# Altium PCB LeggedBot.PcbDoc
Units mil, origin at the board's own origin, x right, y up, seen from the top; angles counter-clockwise.
Board outline 3360 x 1300 mil, 2 copper layers (Top Layer, Bottom Layer); 70 components, 67 nets, 307 pads, 169 vias.
Unrouted connection lines stored in the file: 1.
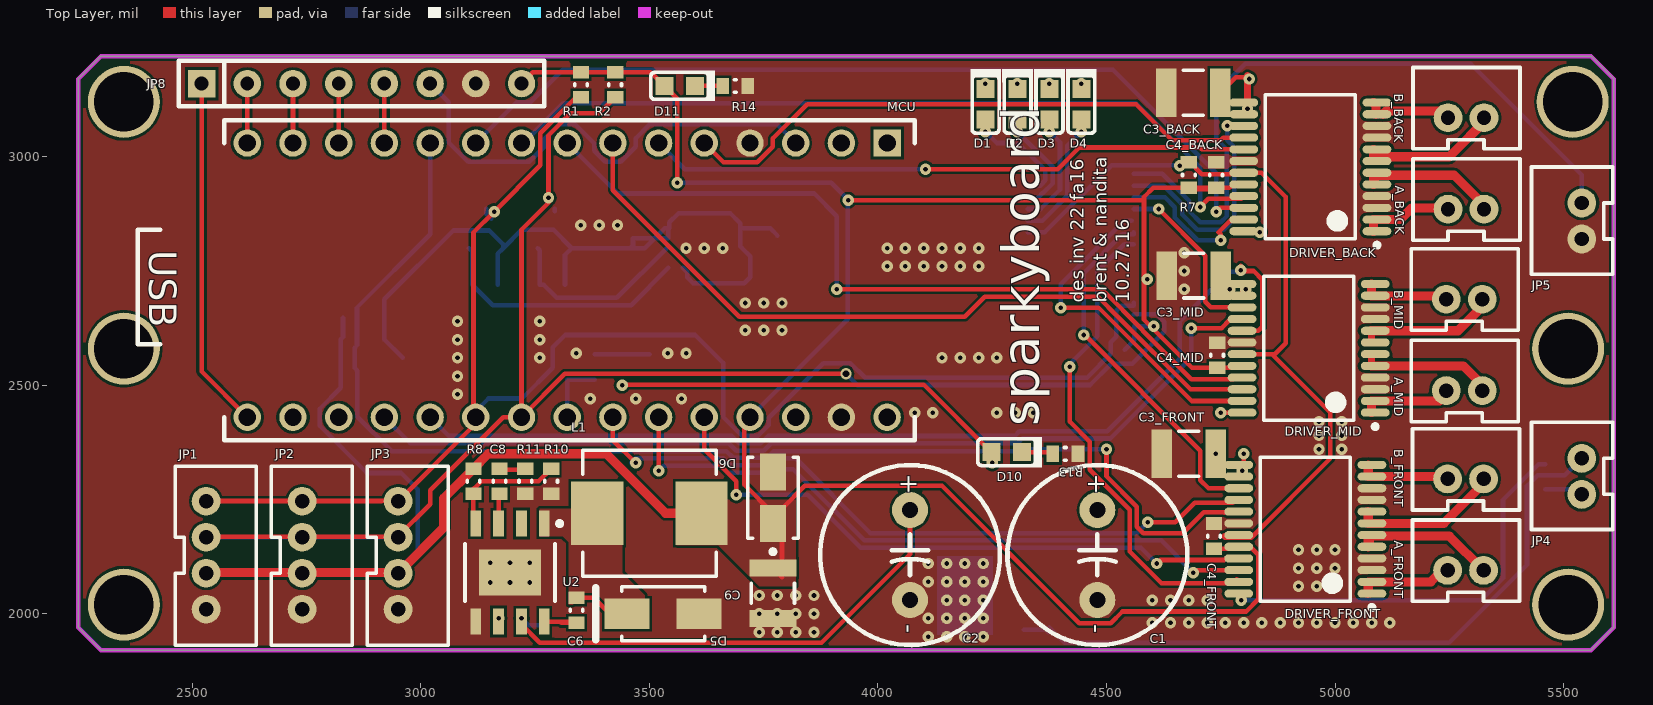
[diagram p0: Top Layer view]
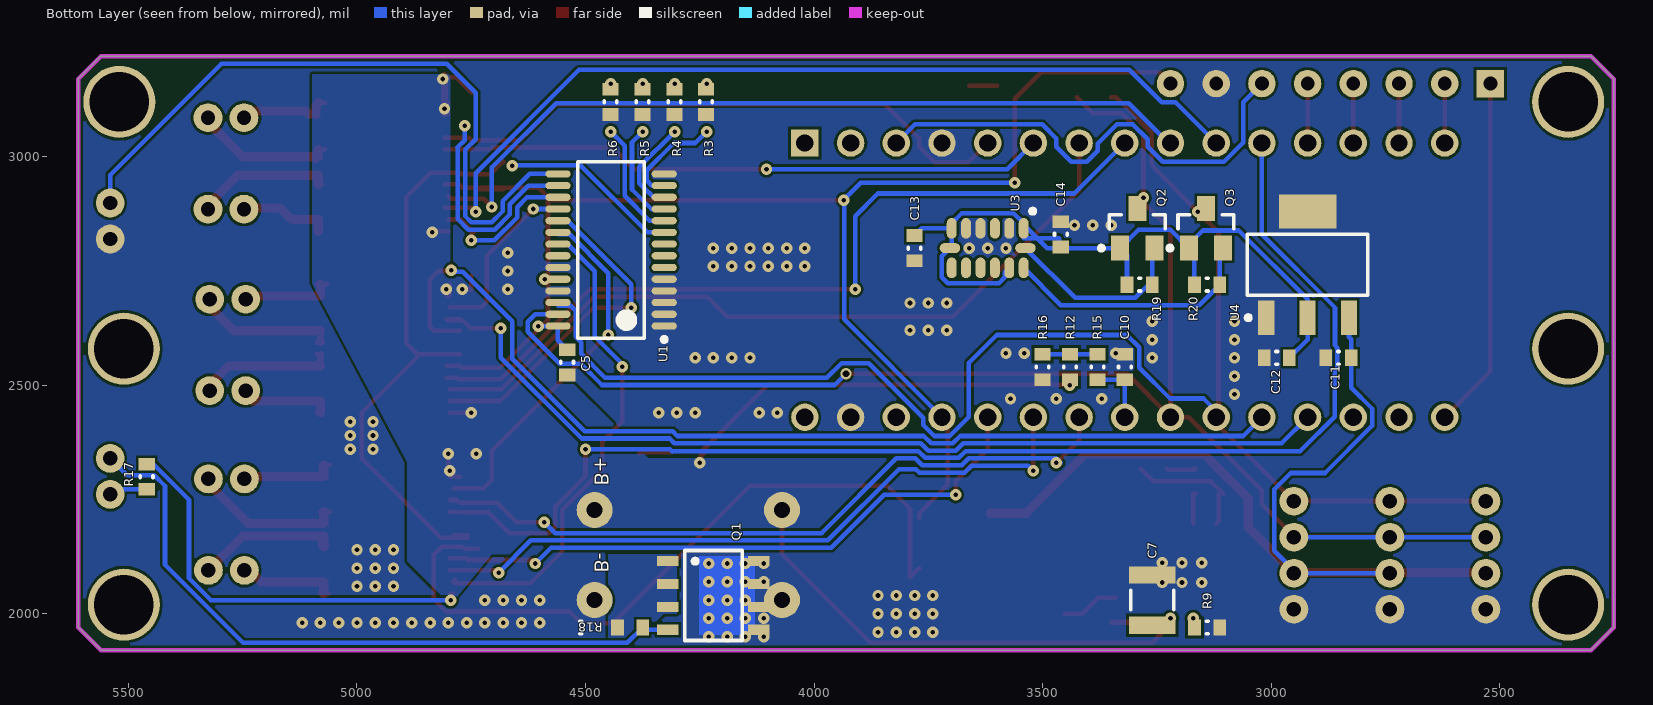
[diagram p1: Bottom Layer view, seen from below]

## Layer stack, top to bottom
Top Solder: solder mask 0.4, Solder Resist, Dk 3.5
Top Layer: signal copper 1.4
Dielectric 1: dielectric 12.6, FR-4, Dk 4.8
Bottom Layer: signal copper 1.4
Bottom Solder: solder mask 0.4, Solder Resist, Dk 3.5

## Board outline
2250,1970 2300,1920 5560,1920 5610,1970 5610,3170 5560,3220 2300,3220 2250,3170

## Design rules (kind name [scope] priority, off if disabled: settings)
Clearance [All] p1: gap=6
HoleSize [All] p1: absolutevalues=TRUE maxlimit=500 minlimit=1 maxpercent=80.000 minpercent=20.000
PlaneConnect [All] p1: planeconnectstyle=Direct reliefexpansion=20 reliefentries=4 reliefconductorwidth=10 reliefairgap=10
PolygonConnect PolygonConnect_1 [All vs IsVia] p1: connectstyle=Direct reliefconductorwidth=10 reliefentries=4 polygonreliefangle="90 Angle" airgapwidth=10
PolygonConnect PolygonConnect_2 [All vs IsNamedPolygon('Direct')] p2: connectstyle=Direct reliefconductorwidth=10 reliefentries=4 polygonreliefangle="90 Angle" airgapwidth=10
PolygonConnect [All] p3: connectstyle=Relief reliefconductorwidth=10 reliefentries=4 polygonreliefangle="90 Angle" airgapwidth=10
RoutingVias [All] p1: holewidth=10 width=25 viastyle="Through Hole" minholewidth=10 minwidth=25 maxholewidth=15 maxwidth=25
SolderMaskExpansion SolderMaskExpansionVia [IsVia] p1: expansion=1 soldermaskfromhole=TRUE
SolderMaskExpansion [All] p2: expansion=3
Width [All] p1: maxlimit=20 minlimit=10 preferedwidth=10 minimp=50.000000 maximp=50.000000 favimp=50.000000
28 further rules are at their usual default settings.

## Classes and differential pairs
component class LeggedBot: C1 C2 C5 C10 D1 D2 D3 D4 D10 D11 JP1 JP2 JP3 JP4 JP5 JP8 MCU Q1 R1 R2 R3 R4 R5 R6 R7 R12 R13 R14 R15 R16 R17 R18 U1
component class BACK: A_BACK B_BACK C3_BACK C4_BACK DRIVER_BACK
component class FRONT: A_FRONT B_FRONT C3_FRONT C4_FRONT DRIVER_FRONT
component class MID: A_MID B_MID C3_MID C4_MID DRIVER_MID
channel class MotorDriver_TB6612: BACK FRONT MID
component class BUCK: C6 C7 C8 C9 D5 D6 L1 R8 R9 R10 R11 U2
component class ACCEL: C11 C12 C13 C14 U3 U4
component class LLS: Q2 Q3 R19 R20

## Components (designator, comment, footprint, x,y, rotation, side; value= is the part's Value field where it differs from the comment)
A_BACK "JST_PH 2" JST-2-PTH-VERT 5286.61,2885.29 r0 top (schematic designator A)
A_FRONT "JST_PH 2" JST-2-PTH-VERT 5285.63,2095 r0 top (schematic designator A)
A_MID "JST_PH 2" JST-2-PTH-VERT 5282.83,2488.29 r0 top (schematic designator A)
B_BACK "JST_PH 2" JST-2-PTH-VERT 5286.61,3085.29 r0 top (schematic designator B)
B_FRONT "JST_PH 2" JST-2-PTH-VERT 5285.63,2295 r0 top (schematic designator B)
B_MID "JST_PH 2" JST-2-PTH-VERT 5282.83,2688.29 r0 top (schematic designator B)
C1 "470uF" CAP_10MM 4480,2226.85 r270 top
C2 "470uF" CAP_10MM 4070,2226.85 r270 top
C3_BACK "10uF" CAPC1210(3225)155_N 4690,3140 r0 top (schematic designator C3)
C3_FRONT "10uF" CAPC1210(3225)155_N 4680,2350 r0 top (schematic designator C3)
C3_MID "10uF" CAPC1210(3225)155_N 4690.94,2740 r0 top (schematic designator C3)
C4_BACK "0.1uF" CAPC0603(1608)100_L#1 4740,2960 r270 top (schematic designator C4)
C4_FRONT "0.1uF" CAPC0603(1608)100_L#1 4735,2170 r270 top (schematic designator C4)
C4_MID "0.1uF" CAPC0603(1608)100_L#1 4742.2,2565.75 r270 top (schematic designator C4)
C5 "0.1uF" CAPC0603(1608)100_L#1 4540,2550 r90 bottom
C6 "100nF" CAPC0603(1608)100_L#2 3340,2237.56 r90 top
C7 "10uF" CAPC1210(3225)280_L 3260,2030 r270 bottom
C8 "150pF" CAPC0603(1608)100_L#1 3171.55,2290 r270 top
C9 "22uF" CAPC1210(3225)170_L 3770,2044.88 r90 top
C10 "0.1uF" CAPC0603(1608)100_L#1 3320,2540 r270 bottom
C11 "2.2uF" CAPC0603(1608)100_L#1 2852.44,2560 r180 bottom
C12 "2.2uF" CAPC0603(1608)100_L#1 2987.56,2560 r180 bottom
C13 "2.2uF" CAPC0603(1608)100_L#1 3780,2800 r90 bottom
C14 "0.1uF" CAPC0603(1608)100_L#1 3460,2830 r270 bottom
D1 "TLSU1008A(T04)" TOSH-0603LED_RED_V 4235.5,3114.69 r270 top
D2 "TLSU1008A(T04)" TOSH-0603LED_RED_V 4305.38,3114.7 r270 top
D3 "TLSU1008A(T04)" TOSH-0603LED_RED_V 4375.25,3114.7 r270 top
D4 "TLSU1008A(T04)" TOSH-0603LED_RED_V 4445.12,3114.7 r270 top
D5 "B340A" DIOD-SMA-2_V 3530,2000 r180 top
D6 "5V TVS" VISH-DO-214AC-2_L 3770,2253.9 r90 top
D10 "TLSU1008A(T04)" TOSH-0603LED_RED_V 4281.53,2353.66 r180 top
D11 "TLSU1008A(T04)" TOSH-0603LED_RED_V 3566.02,3155 r180 top
DRIVER_BACK "TB6612FNG" TOSH-SSOP-24_M 4945.98,2977.76 r180 top (schematic designator DRIVER)
DRIVER_FRONT "TB6612FNG" TOSH-SSOP-24_M 4935,2185 r180 top (schematic designator DRIVER)
DRIVER_MID "TB6612FNG" TOSH-SSOP-24_M 4942.2,2580.75 r180 top (schematic designator DRIVER)
JP1 "JST_PH 4" JST-4-PTH-VERT 2530,2128.11 r270 top
JP2 "JST_PH 4" JST-4-PTH-VERT 2740,2128.11 r270 top
JP3 "JST_PH 4" JST-4-PTH-VERT 2950,2128.11 r270 top
JP4 "JST_PH 2" JST-2-PTH-VERT 5540,2300.63 r90 top
JP5 "JST_PH 2" JST-2-PTH-VERT 5540,2859.37 r90 top
JP8 "1x8 Header" "HEADER 8X1 8.5MM" 2520,3160 r0 top
L1 "0630 Inductor" "0630 INDUCTOR" 3500,2220 r0 top
MCU "Arduino Nano" "ARDUINO NANO" 4180,3090 r180 top
Q1 "MOSFET-N" SOIC127P600X175-8N 4220,2040 r180 bottom
Q2 "BSS138" FAIR-SOT23-3_V 3292.6,2843.31 r90 bottom
Q3 "BSS138" FAIR-SOT23-3_V 3142.6,2843.31 r90 bottom
R1 "4K7" RESC0603(1608)_L 3350,3157.44 r90 top
R2 "4K7" RESC0603(1608)_L 3425,3157.56 r90 top
R3 "470R" RESC0603(1608)_L 4236,3120 r90 bottom
R4 "470R" RESC0603(1608)_L 4305,3120 r90 bottom
R5 "470R" RESC0603(1608)_L 4375,3120 r90 bottom
R6 "470R" RESC0603(1608)_L 4445,3120 r90 bottom
R7 "10K" RESC0603(1608)_L 4680,2960 r270 top
R8 "210K" RESC0603(1608)_L 3114.88,2290 r90 top
R9 "100K" RESC0603(1608)_L 3140,1970 r0 bottom
R10 "40k2" RESC0603(1608)_L 3284.88,2290 r90 top
R11 "100K" RESC0603(1608)_L 3228.22,2290 r90 top
R12 "210K" RESC0603(1608)_L 3440,2540 r270 bottom
R13 "2K2" RESC0603(1608)_L 4410,2350 r0 top
R14 "470R" RESC0603(1608)_L 3687.56,3155 r180 top
R15 "10K" RESC0603(1608)_L 3380,2540 r90 bottom
R16 "100k" RESC0603(1608)_L 3500,2540 r90 bottom
R17 "10K" RESC0603(1608)_L 5460,2300 r90 bottom
R18 "100k" RESC0603(1608)_L 4402.44,1970 r180 bottom
R19 "10k" RESC0603(1608)_L 3287.56,2720 r0 bottom
R20 "10k" RESC0603(1608)_L 3140,2720 r0 bottom
U1 "NXP-PCA9685-SOT361-1" TSSOP-28 4443.86,2796.02 r0 bottom
U2 "MP1584" SOIC8E 3119.88,1982.72 r270 top
U3 "ADXL345BCCZ-RL7" ADI-CC-14-1_V 3620,2800 r270 bottom
U4 "TC2117-3.3VDBTR" SOT-223-DB3_L 2920,2763.86 r90 bottom

## Footprints (in the part's own frame and the unit in brackets; to place one, negate y for a bottom-side part, rotate by r counter-clockwise, add the part's x,y. Pads: shape width x height; smd on the part's side, far side on the other; paste and mask are expansions set on the pad)
"0630 INDUCTOR" [mm] "Precision Wire Wound Inductor, 2-Leads, Body 7.40x7.00mm, IPC Medium Density"
  rect 2.9x3.55 smd: 1(-2.9,0) 2(2.9,0)
  silkscreen extent -3.7,-3.5 3.7,3.5, body extent -3.7,-3.5 3.7,3.5, height 3
ADI-CC-14-1_V [mm] "QFN, 14-Leads, Body 5x3mm, Pitch 0.8mm"
  oval 1.145x0.55 smd: 1(-1.097,2) 2(-1.097,1.2) 3(-1.097,0.4) 4(-1.097,-0.4) 5(-1.097,-1.2) 6(-1.097,-2) 8(1.097,-2) 9(1.097,-1.2) 10(1.097,-0.4) 11(1.097,0.4) 12(1.097,1.2) 13(1.097,2)
  oval 0.55x1.145 smd: 7(0,-2.097) 14(0,2.097)
  silkscreen extent -2.18,2.37 -1.93,2.62, body extent -1.5,-2.5 1.5,2.5, height 1
"ARDUINO NANO" [mil]
  rect 60x60 hole 38: 0(160,60)
  round 60 hole 38: 1(260,60) 2(360,60) 3(460,60) 4(560,60) 5(660,60) 6(760,60) 7(860,60) 8(960,60) 9(1060,60) 10(1160,60) 11(1260,60) 12(1360,60) 13(1460,60) 14(1560,60) 15(1560,660) 16(1460,660) 17(1360,660) 18(1260,660) 19(1160,660) 20(1060,660) 21(960,660) 22(860,660) 23(760,660) 24(660,660) 25(560,660) 26(460,660) 27(360,660) 28(260,660) 29(160,660)
  silkscreen extent 100,10 1800,710, body extent 10,6 1781,714, height 498
CAP_10MM [mm]
  round 2 hole 0.9: 0(0,0) 1(5,0)
  silkscreen extent -2.5,-5 7.5,5, body extent -2.46,-5 7.54,5, height 10
CAPC0603(1608)100_L#1 [mm] "Chip Capacitor, Body 1.6x0.8mm, Height 1.0mm, IPC High Density"
  rect 0.7x0.9 smd: 1(-0.7,0) 2(0.7,0)
  silkscreen extent -0.05,-0.35 0.05,0.35, body extent -0.87,-0.47 0.88,0.48, height 1
CAPC0603(1608)100_L#2 [mm] "Chip Capacitor, Body 1.6x0.8mm, Height 1.0mm, IPC High Density"
  rect 0.7x0.9 smd: 1(-6.542,0) 2(-5.142,0)
  silkscreen extent -5.89,-0.35 -5.79,0.35, body extent -6.72,-0.47 -4.97,0.48, height 1
CAPC1210(3225)155_N [mm] "Chip Capacitor, Body 3.2x2.5mm, Height 1.55mm, IPC Medium Density"
  rect 1.15x2.7 smd: 1(-1.5,0) 2(1.5,0)
  silkscreen extent -0.55,-1.25 0.55,1.25, body extent -1.7,-1.35 1.7,1.35, height 1.55
CAPC1210(3225)170_L [mm] "Chip Capacitor, Body 3.2x2.5mm, Height 1.7mm, IPC High Density"
  rect 0.95x2.6 smd: 1(-1.4,0) 2(1.4,0)
  silkscreen extent -0.55,-1.2 0.55,1.2, body extent -1.7,-1.35 1.7,1.35, height 1.7
CAPC1210(3225)280_L [mm] "Chip Capacitor, Body 3.2x2.5mm, Height 2.8mm, IPC High Density"
  rect 0.95x2.6 smd: 1(-1.4,0) 2(1.4,0)
  silkscreen extent -0.55,-1.2 0.55,1.2, body extent -1.7,-1.4 1.7,1.4, height 2.8
DIOD-SMA-2_V [mm] "Molded Diode, 2-Leads, Body 4.6x2.92mm"
  rect 2.5x1.7 smd: 1(-2,0) 2(2,0)
  silkscreen extent -2.3,-1.5 3.75,1.5, body extent -2.52,-1.46 2.52,1.46, height 2.4
FAIR-SOT23-3_V [mm] "SOT23, 3-Leads, Body 3.12x1.5mm, Pitch 0.95mm"
  rect 1.4x1 smd: 1(-1.1,0.95) 2(-1.1,-0.95) 3(1.1,0)
  silkscreen extent -1.22,-1.55 0.75,2.13, body extent -1.35,-1.56 1.35,1.56, height 1.2
"HEADER 8X1 8.5MM" [mil] "Stackable 8 pin header"
  rect 60x60 hole 30: 1(0,0)
  round 60 hole 30: 2(100,0) 3(200,0) 4(300,0) 5(400,0) 6(500,0) 7(600,0) 8(700,0)
  silkscreen extent -50,-50 750,50, body extent -50,-50 750,50, height 126
JST-2-PTH-VERT [mil]
  round 63 hole 31.5: 1(-39.37,0) 2(39.37,0)
  silkscreen extent -116,-68 118,110, body extent -114,-64 118,113, height 236
JST-4-PTH-VERT [mil]
  round 63 hole 31.5: 1(-118.11,0) 2(-39.37,0) 3(39.37,0) 4(118.11,0)
  silkscreen extent -195,-68 197,110, body extent -195,-70 195,107, height 236
RESC0603(1608)_L [mm] "Chip Resistor, Body 1.6x0.8mm, IPC High Density"
  rect 0.7x0.9 smd: 1(-0.7,0) 2(0.7,0)
  silkscreen extent -0.05,-0.35 0.05,0.35, body extent -0.85,-0.47 0.85,0.47, height 0.6
SOIC8E [mm] "SOIC, 8-Leads, Body 4.90x3.90mm, Pitch 1.27mm, Thermal Pad 3.45x2.56mm, IPC Medium Density"
  rect 1.45x0.6 smd: 1(-5.45,3.81) 2(-5.45,2.54) 3(-5.45,1.27) 4(-5.45,0) 5(0,0) 6(0,1.27) 7(0,2.54) 8(0,3.81)
  rect 2.56x3.45 smd: 9(-2.725,1.905)
  silkscreen extent -5.57,-0.6 -1.13,4.79, body extent -4.73,-0.6 -0.73,4.41, height 1.5
SOIC127P600X175-8N [mm] "SOIC, 8-Leads, Body 4.90x3.90mm, Pitch 1.27mm, IPC Medium Density"
  rect 1.194x0.56 smd: 1(-2.528,-0.635) 1(-2.528,0.635) 1(-2.528,1.905) 2(-2.528,-1.905) 3(2.528,-1.905) 3(2.528,-0.635) 3(2.528,0.635) 3(2.528,1.905)
  Top Layer region: -0.8,2.2 2.3,2.2 2.3,-2.2 -0.8,-2.2
  silkscreen extent -1.6,-2.5 1.6,2.5, body extent -2.02,-2.5 1.97,2.5, height 1.75
SOT-223-DB3_L [mm] "SOT223, 4-Leads, Body 6.5x3.5mm, Pitch 2.3mm, Lead Span 7mm, IPC High Density"
  rect 1.9x0.9 smd: 1(-2.95,2.3) 2(-2.95,0) 3(-2.95,-2.3)
  rect 1.9x3.2 smd: 4(2.95,0)
  silkscreen extent -3.07,-3.35 1.7,3.43, body extent -1.85,-3.35 1.85,3.35, height 1.8
TOSH-0603LED_RED_V [mm] "SMT LED, 2-Leads, Body 1.6x0.8mm (0603-Size)"
  rect 1x1 smd paste+0 mask+0: 1(0.85,0) 2(-0.85,0)
  silkscreen extent -1.97,-0.85 1.6,0.85, body extent -0.92,-0.53 1.09,0.53, height 0.6
TOSH-SSOP-24_M [mm] "SOP, 24-Leads, Body 8x5.8mm, Pitch 0.65mm, IPC Low Density"
  oval 1.6x0.45 smd: 1(-3.7,3.575) 2(-3.7,2.925) 3(-3.7,2.275) 4(-3.7,1.625) 5(-3.7,0.975) 6(-3.7,0.325) 7(-3.7,-0.325) 8(-3.7,-0.975) 9(-3.7,-1.625) 10(-3.7,-2.275) 11(-3.7,-2.925) 12(-3.7,-3.575) 13(3.7,-3.575) 14(3.7,-2.925) 15(3.7,-2.275) 16(3.7,-1.625) 17(3.7,-0.975) 18(3.7,-0.325) 19(3.7,0.325) 20(3.7,0.975) 21(3.7,1.625) 22(3.7,2.275) 23(3.7,2.925) 24(3.7,3.575)
  silkscreen extent -3.83,-4 2.5,4.47, body extent -3.8,-4 3.8,4, height 1.6
TSSOP-28 [mm] "TSOP, 28-Leads, Body 9.70x4.40mm, Pitch 0.65mm, IPC Medium Density"
  oval 1.4x0.4 smd: 1(-2.95,4.225) 2(-2.95,3.575) 3(-2.95,2.925) 4(-2.95,2.275) 5(-2.95,1.625) 6(-2.95,0.975) 7(-2.95,0.325) 8(-2.95,-0.325) 9(-2.95,-0.975) 10(-2.95,-1.625) 11(-2.95,-2.275) 12(-2.95,-2.925) 13(-2.95,-3.575) 14(-2.95,-4.225) 15(2.95,-4.225) 16(2.95,-3.575) 17(2.95,-2.925) 18(2.95,-2.275) 19(2.95,-1.625) 20(2.95,-0.975) 21(2.95,-0.325) 22(2.95,0.325) 23(2.95,0.975) 24(2.95,1.625) 25(2.95,2.275) 26(2.95,2.925) 27(2.95,3.575) 28(2.95,4.225)
  silkscreen extent -3.07,-4.9 1.85,5.1, body extent -2.25,-4.9 2.25,4.9, height 0.95
VISH-DO-214AC-2_L [mm] "DO-214AC, 2-Leads, Body 4.5x2.79mm, IPC High Density"
  rect 2.05x1.45 smd: 1(-1.425,0) 2(1.425,0)
  silkscreen extent -3.12,-1.4 2.25,1.4, body extent -2.25,-1.4 2.25,1.4, height 2.29

## Part data
C1 C2: library part CAP_10MM_GENERIC, "Generic electrolytic capacitor w/ 10mm diameter and 5mm pitch"
C3_BACK C3_FRONT C3_MID: library part CMP-1038-02231-1, "CAP 10uF 25V -20% to +80% 1210 (3225 Metric) Thickness 1.45mm SMD"
C4_BACK C4_FRONT C4_MID C5 C6 C10 C14: library part CMP-1035-02591-1, "CAP 100nF 50V ±5% 0603 (1608 Metric) Thickness 1mm SMD"
C7: library part CMP-1038-02234-1, "CAP 10uF 35V ±10% 1210 (3225 Metric) Thickness 2.8mm SMD"
C8: library part CMP-1035-01367-1, "CAP 150pF 50V ±5% 0603 (1608 Metric) Thickness 1mm SMD"
C9: library part CMP-1038-02258-1, "CAP 22uF 6.3V ±10% 1210 (3225 Metric) Thickness 1.7mm SMD"
C11 C12 C13: library part CMP-1035-02767-1, "CAP 2.2uF 25V ±10% 0603 (1608 Metric) Thickness 1mm SMD"
D1 D2 D3 D4 D10 D11: library part CMP-0444-00001-1, "LED, Red 0603 (1608) 63mCd"
D5: library part CMP-1667-00003-1, "Surface Mount Schottky Barrier Rectifier, 40 V, 3 A, -55 to 150 degC, 2-Pin SMA, RoHS, Tape and Reel"
D6: library part CMP-0548-00062-2, "Transient Voltage Suppressor, 6.40 to 231 V, 5 V Stand-off Voltage, Uni-Directional, -55 to 155 degC, 2-pin DO-214AC, Pb-Free, Tape and Reel"
DRIVER_BACK DRIVER_FRONT DRIVER_MID: library part CMP-1773-00001-1, "Driver IC for Dual DC Motor, 15 V, -20 to 85 degC, 24-Pin SSOP, RoHS, Tape and Reel"
L1: library part PCC-M0630M
Q1: "N-Channel MOSFET"
Q2 Q3: library part CMP-1670-00009-1, "N-Channel Logic Level Enhancement Mode Field Effect Transistor, 220 mA, 50 V, -55 to 150 degC, 3-Pin SOT-23, RoHS, Tape and Reel"
R1 R2: library part CMP-1012-00090-1, "4K7 0.1W 5% 0603 (1608 Metric)  SMD"
R3 R4 R5 R6 R14: library part CMP-1012-00066-1, "470R 0.1W 5% 0603 (1608 Metric)  SMD"
R7 R15 R17 R19 R20: library part CMP-1012-00098-1, "10K 0.1W 5% 0603 (1608 Metric)  SMD"
R8 R12: library part CMP-1012-00770-1, "210K 0.1W 1% 0603 (1608 Metric)  SMD"
R9 R11: library part CMP-1012-00122-1, "100K 0.1W 5% 0603 (1608 Metric)  SMD"
R10: library part CMP-1012-00691-1, "40K2 0.1W 1% 0603 (1608 Metric)  SMD"
R13: library part CMP-1012-00082-1, "2K2 0.1W 5% 0603 (1608 Metric)  SMD"
R16 R18: library part CMP-1012-00736-1, "100K 0.1W 1% 0603 (1608 Metric)  SMD"
U2: "MP1584 3A, 1.5MHz, 28V Step-Down Converter"
U3: library part CMP-0885-00033-1, "3-Axis, +/-2 g / +/-4 g / +/-8 g / +/-16 g Digital Accelerometer with Digital Output, 1.6 KHz BW, Industrial, 14-pin LGA, Reel"
U4: library part CMP-0136-00509-1, "800 mA Fixed Low Dropout Positive Regulator, 3-Pin SOT-223, Extended Temperature, Tape and Reel"

## Free pads (board coordinates)
  round 157.48 hole 129.92: 2(2350,2020) 2(2350,2580) 2(2350,3120) 2(5510,2020) 2(5510,2580) 2(5520,3120)

## Via types
v1: diameter 25, hole 10, Top Layer to Bottom Layer, 168 vias
v2: diameter 25, hole 15, Top Layer to Bottom Layer, 1 vias

## Nets (pads, with @x,y where several pads share a name; then routed paths per layer and width w, separated by ;. In a path a pad name is that pad's centre, name@x,y a point inside that pad or via, vN(x,y) a via of type N, cw(c..) or ccw(c..) an arc to the next point about the centre after c; other vN are vias at no path point)
3V3: C12.2 C13.2 C14.2 Q2.1 Q3.1 R19.2 R20.2 U3.1 U3.6 U3.7 U3.12 U4.2 | length 1770.1
  Bottom Layer w10: C12.2 2920,2600 U4.2 2920,2688.06 3070.5,2838.56 3149.5,2838.56 3180,2808.06 Q3.1 ; R20.2 3167.56,2787.56 Q3.1 ; R19.2 3315.12,2785.12 Q2.1 ; C14.2 3464,2802.44 3464,2822 3541.26,2822 U3.1 ; U3.12 3582.43,2747.12 3582.43,2736.04 3595.21,2723.25 3707.78,2723.25 3720.57,2736.04 3720.57,2782.01 U3.7 3698.74,2803.84 U3.6 ; C13.2 3764.35,2843.21 U3.6 ; Q3.1 3220,2840 3290,2840 Q2.1 ; Q2.1 3490,2800 3533.21,2843.21 U3.1 ; U3.1 3543.21,2843.21 3543.21,2856.24 3563.72,2876.75 3676.29,2876.75 3698.74,2854.29 U3.6
5V: C4_BACK.2 C4_FRONT.2 C4_MID.2 C5.2 C9.2 C11.2 D6.1 D11.1 DRIVER_BACK.20 DRIVER_FRONT.20 DRIVER_MID.20 JP1.3 JP2.3 JP3.3 JP8.8 L1.2 MCU.26 R1.2 R2.2 R7.2 R8.2 U1.24 U1.28 U4.3 | length 7768.9
  Top Layer w10: JP1.3@2520,2090 2673.26,2090 2674.52,2088.74 ; JP1.3 2674.52,2088.74 ; JP3.3@2948.74,2090 JP3.3 JP2.3 2674.52,2088.74 ; JP8.8 3245,3185 R1.2 3387,3185 3387.12,3185.12 R2.2 3502.44,3185.12 D11.1 3561,3126.56 v1(3561,2943) ; MCU.26@3695,2430 MCU.26 3707.82,2417.82 3707.82,2282.18 3770,2220 D6.1@3770,2210 ; C9.2 3790,2080 3790,2230 3840,2280 4140,2280 4440.37,1979.63 4509.63,1979.63 4535,2005 4805.36,2005 4831.83,2031.47 4831.83,2129.25 4814.46,2146.61 DRIVER_FRONT.20 4768.17,2146.61 4764,2142.44 C4_FRONT.2 ; v1(3935,2905) 4582,2905 ; R7.2 4680,2928.5 4736.06,2928.5 C4_BACK.2 ; DRIVER_MID.20@4804.41,2542.36 DRIVER_MID.20 4775.17,2542.36 4771,2538.19 C4_MID.2 4687,2538.19 4582,2643.19 4582,2905 ; DRIVER_BACK.20@4808.19,2939.37 DRIVER_BACK.20 4776.93,2939.37 4771.2,2933.64 4769.45,2933.64 4768.25,2932.44 C4_BACK.2 ; 4582,2905 4582,2912 4602.44,2932.44 C4_BACK.2
  Top Layer w20: JP1.3@2520,2090 JP3.3@2948.74,2090 ; JP3.3 3050,2188.74 3050,2252.68 R8.2 3147.32,2350 3323.23,2350 ; 3328,2350 3405.42,2350 3535.42,2220 L1.2
  Bottom Layer w10: JP2.3 2944,2088.74 2993,2137.74 2993,2272 2957,2308 2882,2308 2779,2411 2779,2449 2824.88,2494.88 C11.2 2824.88,2601 2829.45,2605.57 U4.3 ; v1(3561,2943) 3898,2943 3934,2907 3934,2644 MCU.26 ; C5.2 4560.69,2598.25 4560.69,2629 v1(4603,2629)
  other v1: 4589,2732
B+: C1.0 C2.0 C3_BACK.2 C3_FRONT.2 C3_MID.2 C7.2 D10.1 DRIVER_BACK.13 DRIVER_BACK.14 DRIVER_BACK.24 DRIVER_FRONT.13 DRIVER_FRONT.14 DRIVER_FRONT.24 DRIVER_MID.13 DRIVER_MID.14 DRIVER_MID.24 R12.2 R17.2 U2.7 | length 3408.2
  Top Layer w10: U2.7 3219.88,1976.81 3260.25,1936.44 3876.44,1936.44 4070,2130 C2.0 ; v1(3440,2500) 3441.5,2501.5 4100.23,2501.5 D10.1 4238.66,2353.66 4250,2342.32 v1(4250,2330) ; C3_BACK.2 4749.06,3140.11 4782.94,3174 4808.43,3174 v1@4808.43,3177.76 ; v1(4750,2440) DRIVER_MID.24 ; C3_MID.2 4750,2709 4770,2709 v1(4770,2710) ; DRIVER_FRONT.14@4774.11,2300.16 DRIVER_FRONT.14@4784.53,2300.16 ; DRIVER_FRONT.24 4795,2044.25 v1(4795,2030) ; DRIVER_MID.13 DRIVER_MID.14 4805,2695.91 v1(4805,2710) ; DRIVER_FRONT.14@4797.2,2300.16 DRIVER_FRONT.14 DRIVER_FRONT.14@4784.53,2300.16 ; v1(4800,2350) 4800,2315.63 v1(4797.44,2313.07) DRIVER_FRONT.14@4784.53,2300.16 ; DRIVER_BACK.24 4832.99,2837.01 v1(4835,2835) ; DRIVER_BACK.14 4808.43,3092.91 DRIVER_BACK.14@4808.43,3093.15 ; DRIVER_BACK.13 4808,3118.5 4808,3170 v1(4812.44,3170)
  Top Layer w15: DRIVER_BACK.14@4808.43,3093.15 v1(4808.43,3105) v1@4808.43,3177.76
  Bottom Layer w10: v1(3220,1990) 3235.12,1974.88 C7.2 ; v1(4795,2030) 5320.1,2030 5367.5,2077.4 5367.5,2249.62 5445.44,2327.56 R17.2
  other v1: 4739.06,2350
B-: Q1.1 R18.1
B_AIN1: DRIVER_BACK.21 MCU.8 | length 1794.4
  Top Layer w10: v1@4705,2884.24 4699.24,2890 v1(4705,2890) 4722.66,2907.66 4769.06,2907.66 4769.45,2908.05 4794.58,2908.05 DRIVER_BACK.21
  Bottom Layer w10: MCU.8 3240,3030 3240,3046 3311.22,3117.22 4564.29,3117.22 4705,2976.51 v1(4705,2890)
B_AIN2: DRIVER_BACK.22 MCU.9 | length 1935.5
  Top Layer w10: v1(4740,2880) 4748.19,2888.19 DRIVER_BACK.22 DRIVER_BACK.22@4808.19,2888.19
  Bottom Layer w10: MCU.9 3209,3119 3239,3119 3310,3190 4514.14,3190 4740,2964.14 v1(4740,2880)
B_BIN1: DRIVER_BACK.17 MCU.5 | length 1333
  Top Layer w10: v1(4104,2973) 4393,2973 4440.21,3020.21 4704.24,3020.21 4708.31,3016.14 DRIVER_BACK.17 DRIVER_BACK.17@4808.19,3016.14
  Bottom Layer w10: MCU.5 3577,2973 v1(4104,2973)
B_BIN2: DRIVER_BACK.16 MCU.4 | length 1303.6
  Top Layer w10: MCU.4 3662,2988 3735.98,2988 3770,3022.02 3770,3040 3845,3115 4564.6,3115 4597.31,3082.29 4643.39,3036.21 4710.87,3036.21 4711.16,3036.5 4749.73,3036.5 4754.97,3041.73 DRIVER_BACK.16 DRIVER_BACK.16@4808.19,3041.73
B_PWMA: DRIVER_BACK.23 U1.17 | length 329.1
  Top Layer w10: v1(4750,2817) 4750,2830 4745,2835 4772.6,2862.6 DRIVER_BACK.23
  Bottom Layer w10: U1.17 4627.96,2911.18 4649.5,2889.64 4649.5,2867.01 4699.51,2817 v1(4750,2817)
B_PWMB: DRIVER_BACK.15 U1.16 | length 492.5
  Bottom Layer w10: U1.16 4624.99,2936.77 4665.5,2896.27 4665.5,2873.64 4698.64,2840.5 4756.36,2840.5 4779.5,2863.64 4779.5,3020.5 4780,3021 4764.58,3036.42 v1(4764.58,3067.32)
BATT_INPUT: C10.2 MCU.22 R15.1 | length 142.4
  Bottom Layer w10: MCU.22 C10.2 R15.1
CS: JP8.4 MCU.12 | length 130
  Top Layer w10: MCU.12 JP8.4
ENABLE_MOTORS: DRIVER_BACK.19 DRIVER_FRONT.19 DRIVER_MID.19 R7.1 U1.9 | length 1713.5
  Top Layer w10: R7.1 4680.56,2990 4708.56,2962 4771.04,2962 4774,2964.96 DRIVER_BACK.19 4839.04,2964.96 4892,2912 4892,2592 4867.95,2567.95 4862.05,2567.95 ; DRIVER_MID.19@4773.9,2567.95 DRIVER_MID.19 4862.05,2567.95 ; DRIVER_FRONT.19 4757.27,2172.2 4757.27,2167.22 4758.24,2166.25 4758.47,2166.47 4816.47,2166.47 4990,2340 4990,2440 4862.05,2567.95
  Bottom Layer w10: U1.9 4364.41,2834.41 4511.24,2981.24 4658.76,2981.24 v1(4660,2980)
F_AIN1: DRIVER_FRONT.21 MCU.25 | length 1372.9
  Top Layer w10: MCU.25 3620,2360 3690,2290 v1(3690,2260) ; v1(4610,2110) 4617.66,2117.66 4757.27,2117.66 4760.64,2121.02 DRIVER_FRONT.21 DRIVER_FRONT.21@4797.2,2121.02
  Bottom Layer w10: v1(3690,2260) 3846.68,2260 3962.2,2144.48 4575.52,2144.48 v1(4610,2110)
F_AIN2: DRIVER_FRONT.22 MCU.24 | length 1503.7
  Top Layer w10: v1(3520,2313) MCU.24 ; v1(4690,2090) 4695.43,2095.43 DRIVER_FRONT.22 DRIVER_FRONT.22@4797.2,2095.43
  Bottom Layer w10: v1(3520,2313) 3531,2324 3654.88,2324 3669.88,2309 3770.12,2309 3777.12,2316 3814,2316 3969.52,2160.48 4619.52,2160.48 v1(4690,2090)
F_BIN1: DRIVER_FRONT.17 MCU.10 | length 2819.7
  Top Layer w10: v1(4500,2360) 4500,2300.71 4566.5,2234.21 4566.5,2190.27 4580.27,2176.5 4666.89,2176.5 4712.73,2222.34 4757.27,2222.34 4758.19,2221.42 4759.11,2222.34 4769.96,2222.34 4789.34,2223.08 DRIVER_FRONT.17@4797.2,2223.39
  Bottom Layer w10: MCU.10 3011.77,3030 3020,3021.77 3020,2830 2860,2670 2860,2587.05 2855.22,2582.27 2855.22,2537.73 2861,2531.95 2861,2431.02 2936.02,2356 3668.14,2356 3683.14,2341 3756.86,2341 3771.86,2356 4309.11,2356 4310.11,2355 4315.11,2360 v1(4500,2360)
F_BIN2: DRIVER_FRONT.16 MCU.23 | length 1584.5
  Top Layer w10: MCU.23 3420,2380 v1(3470,2330) ; v1(4590,2200) 4650,2200 4693.24,2243.24 4775.91,2243.24 4782.67,2250 4783.69,2248.98 DRIVER_FRONT.16 4796.18,2248.98 4796.18,2250 DRIVER_FRONT.16@4797.2,2248.98
  Bottom Layer w10: v1(3470,2330) 3460,2330 3470,2340 3661.51,2340 3676.51,2325 3763.49,2325 3778.49,2340 3820,2340 3983.52,2176.48 4566.48,2176.48 v1(4590,2200)
F_PWMA: DRIVER_FRONT.23 U1.21 | length 1073.4
  Top Layer w10: v1(4420,2540) 4420,2420 4463.29,2376.71 4463.29,2314.8 4550.5,2227.58 4550.5,2136.27 4620.27,2066.5 4785.99,2066.5 DRIVER_FRONT.23 4789.33,2071.25 DRIVER_FRONT.23@4785,2075.58
  Bottom Layer w10: v1(4420,2540) 4420,2546.77 4480,2606.77 4480,2749.6 4539.21,2808.82 U1.21
F_PWMB: DRIVER_FRONT.15 U1.20 | length 813
  Top Layer w10: v1(4450,2610) 4450,2612.29 4705.42,2356.87 4705.42,2292.29 4723.14,2274.57 DRIVER_FRONT.15
  Bottom Layer w10: v1(4450,2610) 4456.34,2610 4450,2616.34 4450,2745.19 4534.81,2830 4560,2830 U1.20
GND: C1.1 C2.1 C3_BACK.1 C3_FRONT.1 C3_MID.1 C4_BACK.1 C4_FRONT.1 C4_MID.1 C5.1 C7.1 C9.1 C10.1 C11.1 C12.1 C13.1 C14.1 D5.1 D6.2 DRIVER_BACK.3 DRIVER_BACK.4 DRIVER_BACK.9 DRIVER_BACK.10 DRIVER_BACK.18 DRIVER_FRONT.3 DRIVER_FRONT.4 DRIVER_FRONT.9 DRIVER_FRONT.10 DRIVER_FRONT.18 DRIVER_MID.3 DRIVER_MID.4 DRIVER_MID.9 DRIVER_MID.10 DRIVER_MID.18 JP1.4 JP2.4 JP3.4 JP5.1 JP8.7 MCU.3 MCU.28 Q1.3 R3.1 R4.1 R5.1 R6.1 R9.1 R10.1 R11.1 R13.2 R14.1 R16.1 U1.1 U1.2 U1.3 U1.4 U1.5 U1.14 U1.23 U1.25 U2.5 U2.9 U3.2 U3.4 U3.5 U4.1 U4.4
  other v1: 4110,1950 4150,1950 4190,1950 4230,1950 3740,1960 3780,1960 3820,1960 3860,1960 4600,1980 4640,1980 4680,1980 4720,1980 4760,1980 4800,1980 4840,1980 4880,1980 4920,1980 4960,1980 5000,1980 5040,1980 5080,1980 5120,1980 4110,1990 4150,1990 4190,1990 4230,1990 3740,2000 3780,2000 3820,2000 3860,2000 4150,2030 4190,2030 4230,2030 4600,2030 4640,2030 4680,2030 4720,2030 3740,2040 3780,2040 3820,2040 3860,2040 4920,2060 4960,2060 5000,2060 3151.57,2068.35 3194.88,2068.35 3238.19,2068.35 4110,2070 4150,2070 4190,2070 4230,2070 4920,2100 4960,2100 5000,2100 4110,2110 4150,2110 4190,2110 4230,2110 3151.57,2111.65 3194.88,2111.65 3238.19,2111.65 4920,2140 4960,2140 5000,2140 4965,2360 5015,2360 4965,2390 5015,2390 4965,2420 5015,2420 4080,2440 4120,2440 4260,2440 4300,2440 4340,2440 3370,2470 3470,2470 3570,2470 3080,2480 3080,2520 3080,2560 3260,2560 4140,2560 4180,2560 4220,2560 4260,2560 3340,2570 3540,2570 3580,2570 3080,2600 3260,2600 3710,2620 3750,2620 3790,2620 3080,2640 3260,2640 3710,2680 3750,2680 3790,2680 4670,2710 4670,2750 4020,2760 4060,2760 4100,2760 4140,2760 4180,2760 4220,2760 4670,2790 3580,2800 3620,2800 3660,2800 4020,2800 4060,2800 4100,2800 4140,2800 4180,2800 4220,2800 3350,2850 3390,2850 3430,2850
IRQ: JP8.5 MCU.11 | length 130
  Top Layer w10: MCU.11 JP8.5
LED: JP5.2 U1.15 | length 1513.6
  Bottom Layer w10: U1.15 4622.03,2962.36 4681.5,2902.89 4681.5,2880.27 4705.27,2856.5 4749.73,2856.5 4763.5,2870.27 4763.5,3014.87 4740,3038.37 4740,3140 4803.5,3203.5 5296.5,3203.5 5540,2960 JP5.2@5540,2919.37
M_AIN1: DRIVER_MID.21 MCU.7 | length 1794.6
  Top Layer w10: v1(3910,2710) 4490,2710 4579.5,2620.5 4579.5,2619.27 4685.77,2513 4777,2513 4780.77,2516.77 DRIVER_MID.21 DRIVER_MID.21@4804.41,2516.77
  Bottom Layer w10: MCU.7 3430.5,2919.5 3860.5,2919.5 3910,2870 v1(3910,2710)
M_AIN2: DRIVER_MID.22 MCU.6 | length 1696.2
  Top Layer w10: MCU.6 3420,2926.77 3696.77,2650 4190,2650 4233.5,2693.5 4481.5,2693.5 4525,2650 4683.82,2491.18 DRIVER_MID.22
M_BIN1: DRIVER_MID.17 MCU.19 | length 2246.3
  Top Layer w10: DRIVER_MID.17@4773.9,2619.13 DRIVER_MID.17 4832,2619.13 4841,2628.13 4841,2731 4822,2750 4805.28,2750 4793.64,2761.64 v1(4793.64,2751.35)
  Bottom Layer w10: MCU.19 3061,2389 3680.39,2389 3696.39,2373 3743.61,2373 3759.61,2389 4298.86,2389 4309.36,2399.5 4501.87,2399.5 4660,2557.63 4660,2640 4768.59,2748.59 4790.87,2748.59 v1(4793.64,2751.35)
M_BIN2: DRIVER_MID.16 MCU.18 | length 2102.4
  Top Layer w10: v1(4685,2625) 4751.68,2625 4768.5,2641.82 4801.51,2641.82 4804.41,2644.72 DRIVER_MID.16 DRIVER_MID.16@4773.9,2644.72
  Bottom Layer w10: MCU.18 2977,2373 3673.76,2373 3689.76,2357 3750.24,2357 3766.24,2373 4305.49,2373 4315.99,2383.5 4508.5,2383.5 4685,2560 v1(4685,2625)
M_PWMA: DRIVER_MID.23 U1.19 | length 744.7
  Top Layer w10: v1(4400,2670) 4482.37,2670 4686.78,2465.59 DRIVER_MID.23
  Bottom Layer w10: v1(4400,2670) 4400,2720.79 4539.21,2860 U1.19@4555,2860
M_PWMB: DRIVER_MID.15 U1.18 | length 385.1
  Top Layer w10: v1(4614.41,2885.59) 4716.36,2783.64 4716.36,2682.29 4728.34,2670.32 DRIVER_MID.15
  Bottom Layer w10: U1.18 v1(4614.41,2885.59)
MISO: JP8.2 MCU.14 | length 130
  Top Layer w10: MCU.14 JP8.2
MOSI: JP8.3 MCU.13 | length 130
  Top Layer w10: MCU.13 JP8.3
NetA_BACK_1: A_BACK.1 DRIVER_BACK.1 DRIVER_BACK.2 | length 231.7
  Top Layer w10: DRIVER_BACK.1@5081.89,2837.01 5083.78,2837.01 DRIVER_BACK.1 ; A_BACK.1 5257.24,2885.29 A_BACK.1@5257.24,2887.76
  Top Layer w20: DRIVER_BACK.1@5083.78,2837.01 5083.78,2862.6 DRIVER_BACK.2 5142.6,2862.6 5167.76,2887.76 A_BACK.1@5257.24,2887.76
NetA_BACK_2: A_BACK.2 DRIVER_BACK.5 DRIVER_BACK.6 | length 376.5
  Top Layer w10: DRIVER_BACK.5@5076.4,2939.37 5083.78,2939.37 DRIVER_BACK.5 5091.65,2952 DRIVER_BACK.6 ; A_BACK.2 5344.11,2885.29 A_BACK.2@5344.11,2895.89
  Top Layer w20: DRIVER_BACK.5@5083.78,2939.37 5083.78,2959.55 5260.45,2959.55 5324.11,2895.89 A_BACK.2@5344.11,2895.89
NetA_FRONT_1: A_FRONT.1 DRIVER_FRONT.1 DRIVER_FRONT.2 | length 228.2
  Top Layer w10: DRIVER_FRONT.1@5061.97,2044.25 5072.8,2044.25 DRIVER_FRONT.1
  Top Layer w20: DRIVER_FRONT.1@5072.8,2044.25 5072.8,2069.84 DRIVER_FRONT.2 5209.84,2069.84 5235,2095 A_FRONT.1
NetA_FRONT_2: A_FRONT.2 DRIVER_FRONT.5 DRIVER_FRONT.6 | length 347.5
  Top Layer w10: DRIVER_FRONT.5@5065.41,2146.61 5072.8,2146.61 DRIVER_FRONT.5 DRIVER_FRONT.6
  Top Layer w20: DRIVER_FRONT.5@5072.8,2146.61 5072.8,2170 5250,2170 A_FRONT.2
NetA_MID_1: A_MID.1 DRIVER_MID.1 DRIVER_MID.2 | length 229.8
  Top Layer w10: DRIVER_MID.1@5080,2440 DRIVER_MID.1 ; A_MID.1 5253.46,2488.29 A_MID.1@5253.46,2490.75
  Top Layer w20: DRIVER_MID.1@5080,2440 5080,2465.59 DRIVER_MID.2 5228.31,2465.59 A_MID.1@5253.46,2490.75
NetA_MID_2: A_MID.2 DRIVER_MID.5 DRIVER_MID.6 | length 322.6
  Top Layer w10: DRIVER_MID.6@5076.91,2567.95 5080,2567.95 DRIVER_MID.6 ; A_MID.2 5332.2,2488.29 A_MID.2@5332.2,2490.75
  Top Layer w15: DRIVER_MID.5@5080,2542.36 DRIVER_MID.6@5080,2567.95
  Top Layer w20: DRIVER_MID.5@5080,2542.36 DRIVER_MID.5 5280,2542.36 5280.59,2542.36 A_MID.2@5332.2,2490.75
NetB_BACK_1: B_BACK.1 DRIVER_BACK.11 DRIVER_BACK.12 | length 250.8
  Top Layer w10: DRIVER_BACK.12@5069.02,3118.5 5083.78,3118.5 DRIVER_BACK.12 ; DRIVER_BACK.11@5090,3092.91 DRIVER_BACK.11 DRIVER_BACK.11@5104.84,3092.91 ; B_BACK.1 5257.24,3085.29 B_BACK.1@5257.24,3087.76
  Top Layer w20: DRIVER_BACK.12@5083.78,3118.5 5090,3112.28 DRIVER_BACK.11@5090,3092.91 ; DRIVER_BACK.11@5104.84,3092.91 5111.93,3100 B_BACK.1@5245,3100 ; B_BACK.1@5257.24,3087.76 B_BACK.1@5245,3100 ; B_BACK.1@5257.24,3100 B_BACK.1@5245,3100
NetB_BACK_2: B_BACK.2 DRIVER_BACK.7 DRIVER_BACK.8 | length 365.9
  Top Layer w10: DRIVER_BACK.8@5069.02,3016.14 5083.78,3016.14 DRIVER_BACK.8 DRIVER_BACK.7 ; B_BACK.2 5336.87,3085.29 B_BACK.2@5336.87,3086.87
  Top Layer w20: DRIVER_BACK.8@5083.78,3016.14 5083.78,3000 5250,3000 B_BACK.2@5336.87,3086.87
NetB_FRONT_1: B_FRONT.1 DRIVER_FRONT.11 DRIVER_FRONT.12 | length 226.8
  Top Layer w10: DRIVER_FRONT.12@5058.03,2325.75 5072.8,2325.75 DRIVER_FRONT.12 ; B_FRONT.1 B_FRONT.1@5246.26,2300.16
  Top Layer w20: DRIVER_FRONT.12@5072.8,2325.75 5072.8,2300.16 DRIVER_FRONT.11 B_FRONT.1@5246.26,2300.16
NetB_FRONT_2: B_FRONT.2 DRIVER_FRONT.7 DRIVER_FRONT.8 | length 353.6
  Top Layer w10: DRIVER_FRONT.8@5058.03,2223.39 5072.8,2223.39 DRIVER_FRONT.8 ; B_FRONT.2 5325,2290 B_FRONT.2@5330,2290
  Top Layer w20: DRIVER_FRONT.8@5072.8,2223.39 5072.8,2197.8 DRIVER_FRONT.7 5237.8,2197.8 B_FRONT.2@5330,2290
NetB_MID_1: B_MID.1 DRIVER_MID.11 DRIVER_MID.12 | length 236.7
  Top Layer w10: DRIVER_MID.12@5065.24,2721.5 5080,2721.5 DRIVER_MID.12 ; B_MID.1 5253.46,2688.29 B_MID.1@5253.46,2690.75
  Top Layer w20: DRIVER_MID.12@5080,2721.5 5080,2695.17 5249.04,2695.17 B_MID.1@5253.46,2690.75
NetB_MID_2: B_MID.2 DRIVER_MID.7 DRIVER_MID.8 | length 340.4
  Top Layer w10: DRIVER_MID.7@5073.49,2593.54 5080,2593.54 DRIVER_MID.7 ; B_MID.2 5336.48,2688.29 B_MID.2@5336.48,2686.48
  Top Layer w15: DRIVER_MID.7@5080,2593.54 DRIVER_MID.8@5080,2619.13
  Top Layer w20: DRIVER_MID.8@5080,2619.13 DRIVER_MID.8 5269.13,2619.13 B_MID.2@5336.48,2686.48
NetC6_1: C6.1 U2.8 | length 124.2
  Top Layer w10: U2.8 3347.28,1982.72 3350,1980 C6.1 3307,1980
NetC6_2: C6.2 D5.2 L1.1 U2.1 | length 125.8
  Top Layer w10: C6.2 3378,2035.12 3413.12,2000 D5.2
NetC8_1: C8.1 R11.2 | length 71.8
  Top Layer w10: C8.1 3166,2317.56 3164.88,2317.56 3167.32,2315.12 3224.88,2315.12 R11.2
NetC8_2: C8.2 U2.3 | length 73.9
  Top Layer w10: U2.3 3169.88,2257.44 3164.88,2262.44 C8.2
NetD1_1: D1.1 U1.13 | length 231.7
  Bottom Layer w10: v1(4235,3055) 4260,3030 4306.45,3030 4366.28,2970.18 4366.28,2948.14 4354.91,2936.77 U1.13
NetD1_2: D1.2 R3.2 | length 25.8
  Top Layer w10: v1(4235,3160) 4235.5,3160 D1.2
  Bottom Layer w10: v1(4235,3160) 4235,3147.56 R3.2
NetD2_1: D2.1 U1.12 | length 190.8
  Bottom Layer w10: v1(4305,3055) 4382.28,2977.72 4382.28,2941.51 4361.54,2920.77 4360.77,2920.77 U1.12@4350,2910
NetD2_2: D2.2 R4.2 | length 25.9
  Top Layer w10: v1(4305,3160) 4306,3160 4306,3148.16 D2.2
  Bottom Layer w10: R4.2 v1(4305,3160)
NetD3_1: D3.1 U1.11 | length 224.6
  Bottom Layer w10: U1.11 4355.59,2885.59 4398.28,2928.28 4398.28,3031.72 v1(4375,3055)
NetD3_2: D3.2 R5.2 | length 26
  Top Layer w10: v1(4375,3160) 4376,3160 4376,3148.16 D3.2
  Bottom Layer w10: R5.2 v1(4375,3160)
NetD4_1: D4.1 U1.10 | length 262.5
  Bottom Layer w10: U1.10 4360,2860 4414.28,2914.28 4414.28,3024.28 v1(4445,3055)
NetD4_2: D4.2 R6.2 | length 24.4
  Top Layer w10: v1(4445,3160) 4445.13,3160 D4.2
  Bottom Layer w10: R6.2 v1(4445,3160)
NetD10_2: D10.2 R13.1 | length 70.2
  Top Layer w10: D10.2 4381.42,2353.66 R13.1
NetD11_2: D11.2 R14.2 | length 60.5
  Top Layer w10: D11.2 R14.2
NetJP4_1: JP4.1 R17.1 | length 84.6
  Bottom Layer w10: R17.1 5528.82,2272.44 JP4.1
NetJP4_2: JP4.2 Q1.2 R18.2 | length 1502
  Bottom Layer w10: Q1.2 4367.44,1965 4368.66,1963.78 R18.2@4372.44,1960 ; R18.2 4408.38,1936.5 5249.23,1936.5 5420,2107.27 5420,2279.49 5443.29,2302.78 5502.78,2302.78 JP4.2
NetQ2_2: Q2.2 R19.1 U3.14 | length 416.4
  Bottom Layer w10: Q2.2 3260,2795.2 R19.1 3268.25,2720 3290.34,2697.91 3290.34,2697.73 3296.78,2691.28 3428.7,2691.28 U3.14
NetQ3_2: Q3.2 R20.1 U3.13 | length 564.1
  Bottom Layer w10: Q3.2 3112.44,2792.76 R20.1 3157.16,2675.28 3459.75,2675.28 U3.13
NetR8_1: R8.1 R10.2 U2.4 | length 270.1
  Top Layer w10: R8.1@3104.88,2262.44 3132.44,2290 3257.32,2290 R10.2 ; R8.1 3114.88,2202.28 U2.4
NetR9_2: R9.2 U2.6 | length 29.8
  Top Layer w10: U2.6 3169.88,1990 v1(3170,1990)
  Bottom Layer w10: R9.2 3167.56,1990 v1(3170,1990)
NetR12_1: R12.1 R15.2 R16.2 | length 120
  Bottom Layer w10: R15.2 R12.1 R16.2
RST: JP8.6 MCU.2 | length 1070.5
  Bottom Layer w10: JP8.6 3061,3119 3061,3031.02 3103.02,2989 3236.98,2989 3270,3022.02 3270,3037.98 3303.02,3071 3336.98,3071 3379,3028.98 3379,3013.02 3403.02,2989 3436.98,2989 3470,3022.02 3470,3040 3501,3071 3779,3071 MCU.2
SCK: JP8.1 MCU.15 | length 771.4
  Top Layer w10: JP8.1 2520,2530 MCU.15
SCL: JP1.1 JP2.1 JP3.1 MCU.20 Q3.3 R1.1 U1.26 | length 3815.9
  Top Layer w10: JP1.1@2520,2247.48 2948.74,2247.48 JP3.1 3115,2411.22 3115,2835 v1(3160,2880) 3261,2981 3261,3051.61 3339.27,3129.88 R1.1 ; JP1.1 JP2.1 2914.22,2246.22
  Bottom Layer w10: MCU.20 3120,2443.29 3147.71,2471 3221,2471 3288.55,2538.55 3288.55,2583.16 3315.39,2610 3600,2610 3661,2549 3661,2431.02 3703.02,2389 3736.98,2389 3761,2413.02 3761,2428.98 3880.52,2548.5 3939.73,2548.5 3971.73,2516.5 4457.36,2516.5 4509.5,2568.64 4509.5,2594.11 4521.44,2606.05 4521.44,2663.09 4532.5,2674.15 4560,2674.15 U1.26 ; Q3.3 3142.6,2875.4 Q3.3@3154,2864
SDA: JP1.2 JP2.2 JP3.2 MCU.21 Q2.3 R2.1 U1.27 | length 3674.3
  Top Layer w10: JP1.2@2520,2168.74 2948.74,2168.74 3020,2240 3020,2270 3180,2430 MCU.21 ; JP1.2@2528.74,2168.74 JP1.2 ; R2.1 3390,3095 3327.02,3095 3279,3046.98 v1(3279,2910) 3279,2899 3220,2840 MCU.21 ; v2(3930,2525) 3315,2525 MCU.21
  Bottom Layer w10: JP1.2 JP2.2 JP3.2 ; Q2.3@3292.6,2881 Q2.3 ; v2(3930,2525) 3954.5,2500.5 4463.99,2500.5 4510.71,2547.22 4556.71,2547.22 4626.5,2617.01 4626.5,2638.73 4609.96,2655.28 U1.27
pads on no net: MCU.0 MCU.1 MCU.16 MCU.17 MCU.27 MCU.29 U1.6 U1.7 U1.8 U1.22 U2.2 U3.3 U3.8 U3.9 U3.10 U3.11

## Polygon pours and split planes (outlines as drawn)
GND on Top Layer "Direct" (solid, remove dead copper, pour order 18): 2250,1920 2250,3220 5605,3220 5605,1920
5V on Top Layer "Direct" (solid, pour order 11): 3560,2250 3820,2250 3820,2060 3740,2060 3650,2150 3560,2150
NetC6_2 on Top Layer "Direct" (solid, pour order 10): 3323.51,2020 3370,2020 3390,2020 3490,2020 3490,2040 3440,2090 3440,2150 3440,2230 3260,2230 3260,2170 3280,2170 3310,2170 3323.51,2156.49
B- on Bottom Layer "Direct" (solid, pour order 4): 4300,2130 4300,2000 4328.5,2000 4392.22,1936.28 4442.29,1936.28 4447.34,1941.33 4450,1943.99 4450,2130
GND on Bottom Layer "Direct" (solid, remove dead copper, pour order 20): 2250,1920 2250,3220 5610,3220 5610,1920
B+ on Bottom Layer "Direct" (solid, pour order 16): 3785.7,2340 3980,2130 4705.45,2130 4795.45,2020 4890,2114.55 4890,2331.63 5097.5,2722.5 5097.5,3180 4795.45,3180 4795.45,2772.4 4363.05,2340

## Keep-outs
Keep-Out Layer:
  the board outline again, w10

## Silkscreen, mask and mechanical layers (free items; w line width, h text height)
Top Overlay:
  text "des inv 22 fa16 / brent & nandita / 10.27.16" at 4560,2680 h50 r90
  text "sparkyboard" at 4380,2410 h140 r90
Bottom Overlay:
  text "B+" at 4480,2280 h30 r90
  text "B-" at 4480,2090 h30 r90
Bottom Solder:
  rectangle: 4350,2210 4430,2330
  rectangle: 4350,2010 4430,2130

## Text inside footprints (layer, text, board x,y; h text height)
C1: Top Overlay "-" at 4460,1976.85 h40 r270; Top Overlay "+" at 4460,2306.85 h40 r270
C2: Top Overlay "-" at 4050,1976.85 h40 r270; Top Overlay "+" at 4050,2306.85 h40 r270
MCU: Top Overlay "USB" at 2405,2795 h60 r270